# KiCad board mainboard.kicad_pcb
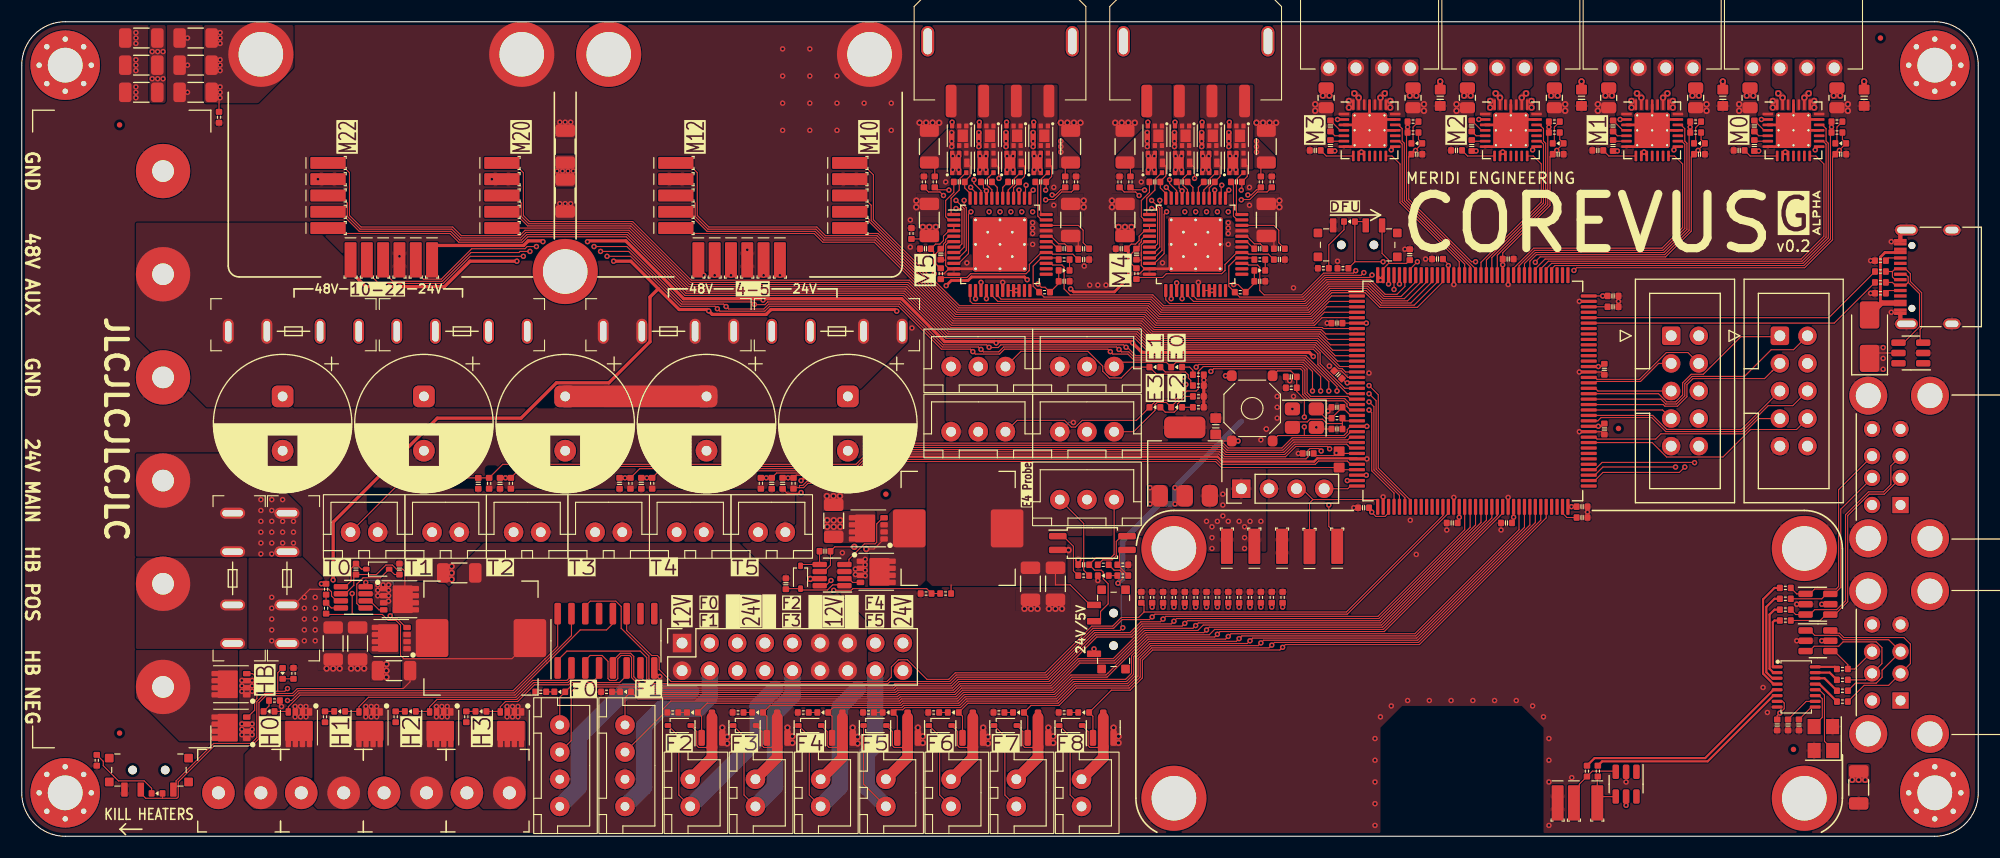
[diagram p0: board, top side]
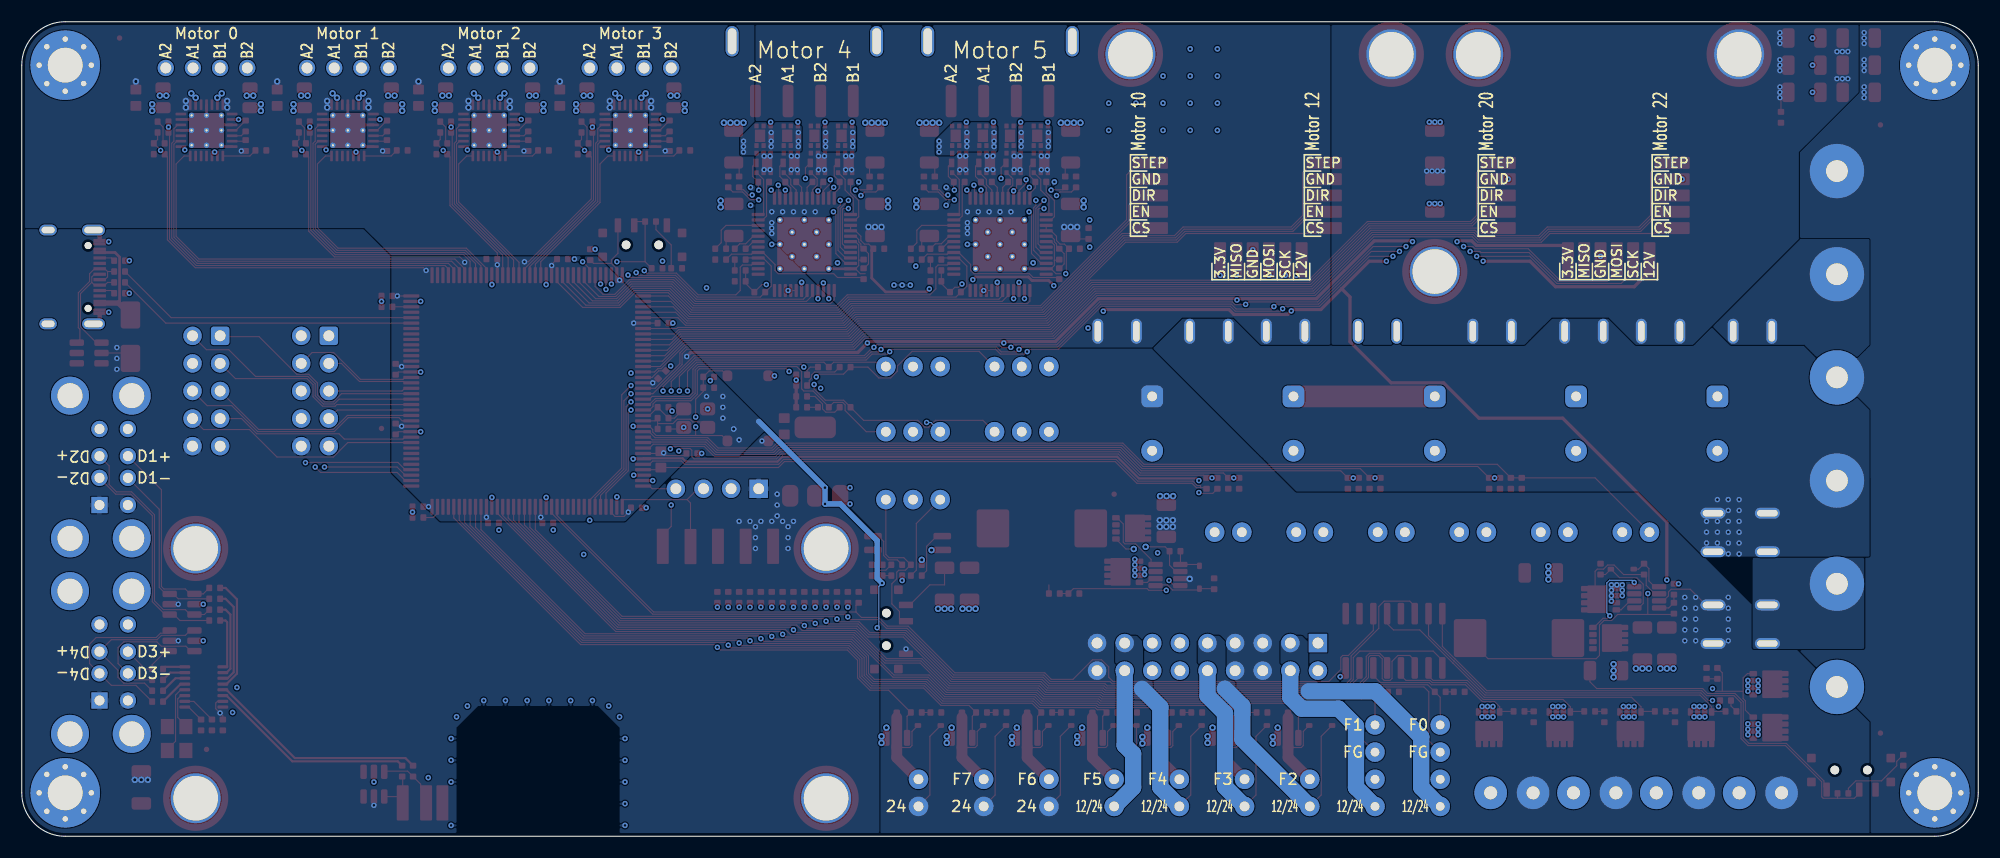
[diagram p1: board, bottom side, seen from below]

Outline 180 x 75 mm; copper layers: Top, In1.Cu (plane), In2.Cu (plane), Bottom. Coordinates in mm from the lower left corner of the outline.
Outline path: 0,71 0,4 arc(1.17,1.17) 4,0 176,0 arc(178.83,1.17) 180,4 180,71 arc(178.83,73.83) 176,75 4,75 arc(1.17,73.83) 0,71
Stack: Top 0.035mm / dielectric 0.1mm FR4 er 4.5 / In1.Cu 0.035mm / dielectric 1.24mm FR4 er 4.5 / In2.Cu 0.035mm / dielectric 0.1mm FR4 er 4.5 / Bottom 0.035mm

## Placement (name value [footprint] x y rotation side)
C1  15pF  [0402C]  121 39.5 0 top
C2  15pF  [0402C]  121 37.5 0 top
C3  2.2μF  [0402C]  146.4 48.75 0 top
C4  2.2μF  [0402C]  143.55 29.35 0 top
C5  100nF 50V  [0402C]  97.7 25 180 top
C6  1μF  [0402C]  42 32.5 90 top
C7  1μF  [0402C]  44 32.5 90 top
C8  1μF  [0402C]  55 32.5 90 top
C9  1μF  [0402C]  57 32.5 90 top
C11  10μF  [0603C]  109.85 37.75 270 top
C12  470μF 63V  [CP_Radial_D12.5mm_P5.00mm]  76 38 0 top
C13  470μF 63V  [CP_Radial_D12.5mm_P5.00mm]  63 38 0 top
C14  470μF 63V  [CP_Radial_D12.5mm_P5.00mm]  50 38 0 top
C15  100nF  [0402C]  121 47.25 180 top
C16  470μF 63V  [CP_Radial_D12.5mm_P5.00mm]  37 38 0 top
C17  470μF 63V  [CP_Radial_D12.5mm_P5.00mm]  24 38 0 top
C18  100nF  [0402C]  167.35 62.8 0 top
C19  1μF  [0402C]  158 63.15 0 top
C20  100nF 16V  [0402C]  159.4 63.6 270 top
C21  22nF 50V  [0402C]  159.4 65.4 270 top
C22  1μF 50V  [0603C]  169.5 68 90 top
C23  100nF  [0402C]  154.35 62.8 0 top
C24  1μF  [0402C]  145 63.15 0 top
C25  100nF 16V  [0402C]  146.4 63.6 270 top
C26  22nF 50V  [0402C]  146.4 65.4 270 top
C27  1μF 50V  [0603C]  156.5 68 90 top
C28  100nF  [0402C]  141.35 62.8 0 top
C29  1μF  [0402C]  132 63.15 0 top
C30  100nF 16V  [0402C]  133.4 63.6 270 top
C31  22nF 50V  [0402C]  133.4 65.4 270 top
C32  1μF 50V  [0603C]  143.5 68 90 top
C33  100nF  [0402C]  128.35 62.8 0 top
C34  1μF  [0402C]  119 63.15 0 top
C35  100nF 16V  [0402C]  120.4 63.6 270 top
C36  22nF 50V  [0402C]  120.4 65.4 270 top
C37  1μF 50V  [0603C]  130.5 68 90 top
C38  100nF  [0402C]  116.8 42.3 180 top
C39  100nF 16V  [0402C]  115.7 54.1 180 top
C40  47nF 100V  [0402C]  113.9 54.1 180 top
C41  470nF  [0402C]  113.9 51.1 180 top
C42  1μF  [0402C]  102.55 53.6 90 top
C43  470nF  [0402C]  115.7 53.1 180 top
C44  100nF  [0402C]  121.1 42.5 135 top
C45  1μF  [0402C]  101.15 54.1 0 top
C46  100nF  [0402C]  118.35 35.25 180 top
C47  220nF  [0402C]  109.25 60.25 0 top
C48  220nF  [0402C]  104.25 60.25 0 top
C49  220nF  [0402C]  111.75 60.25 180 top
C50  220nF  [0402C]  106.75 60.25 0 top
C51  1μF 100V  [C_1206_3216Metric]  101.5 56.75 90 top
C52  1μF 100V  [C_1206_3216Metric]  114.5 56.75 90 top
C53  100nF  [0402C]  123.45 30.25 180 top
C54  100nF 16V  [0402C]  97.7 54.1 180 top
C55  47nF 100V  [0402C]  95.9 54.1 180 top
C56  470nF  [0402C]  95.9 51.1 180 top
C57  1μF  [0402C]  84.55 53.6 90 top
C58  470nF  [0402C]  97.7 53.1 180 top
C59  100nF  [0402C]  131.6 28.85 180 top
C60  1μF  [0402C]  83.15 54.1 0 top
C61  100nF  [0402C]  136.6 28.85 180 top
C62  220nF  [0402C]  91.25 60.25 0 top
C63  220nF  [0402C]  86.25 60.25 0 top
C64  220nF  [0402C]  93.75 60.25 180 top
C65  220nF  [0402C]  88.75 60.25 0 top
C66  1μF 100V  [C_1206_3216Metric]  83.5 56.75 90 top
C67  1μF 100V  [C_1206_3216Metric]  96.5 56.75 90 top
C68  1μF 63V  [C_1206_3216Metric]  11 71 180 top
C69  1μF 63V  [C_1206_3216Metric]  50 63.5 90 top
C70  1μF 63V  [C_1206_3216Metric]  50 59 270 top
C71  1μF 63V  [C_1206_3216Metric]  11 68.5 180 top
C72  1μF 63V  [C_1206_3216Metric]  11 73.5 180 top
C73  1μF 63V  [C_1206_3216Metric]  16 68.5 180 top
C74  1μF 63V  [C_1206_3216Metric]  16 73.5 180 top
C75  1μF 63V  [C_1206_3216Metric]  16 71 180 top
C76  1μF  [0402C]  162.5 10.25 270 top
C77  1μF  [0402C]  69 32.5 90 top
C78  1μF  [0402C]  70 32.5 90 top
C79  100nF  [0402C]  143.55 30.35 0 top
C80  100nF  [0402C]  145.6 37.5 270 top
C81  100nF  [0402C]  145.6 43 270 top
C82  100nF  [0402C]  146.4 49.75 0 top
C83  100nF  [0402C]  136.75 53.15 0 top
C84  100nF  [0402C]  130.25 53.15 180 top
C85  100nF  [0402C]  127.7 53.55 90 top
C86  10μF 50V  [C_1206_3216Metric]  28.65 17.75 270 top
C87  10μF 50V  [C_1206_3216Metric]  30.9 17.75 270 top
C88  2.2μF  [0402C]  34.75 24.6 90 top
C89  100nF  [0402C]  30.75 24.6 270 top
C90  22μF 25V  [C_1206_3216Metric]  34.25 15.25 180 top
C91  22μF 25V  [C_1206_3216Metric]  40.25 24.25 180 top
C92  10μF 50V  [C_1206_3216Metric]  74.7 29.05 90 top
C93  1μF  [0402C]  163.5 10.25 270 top
C94  2.2μF  [0402C]  70.3 23.25 90 top
C95  100nF  [0402C]  73.9 26.25 0 top
C96  22μF 10V  [C_1206_3216Metric]  92.8 23.25 270 top
C97  22μF 10V  [C_1206_3216Metric]  95.1 23.25 270 top
C98  1μF  [0402C]  161.5 10.25 270 top
C99  22μF  [C_1206_3216Metric]  169 4.5 270 top
D1  Red  [0402LED]  122.15 56.6 0 top
D2  Red  [0402LED]  24 15 90 top
D3  SS54  [D_SMA]  170 46 90 top
D5  Red  [0402LED]  49.5 13.3 0 top
D6  Red  [0402LED]  106.25 43.2 0 top
D7  Red  [0402LED]  104.25 43.2 0 top
D8  Red  [0402LED]  106.25 39.5 0 top
D9  Red  [0402LED]  29.25 11.5 0 top
D10  Red  [0402LED]  22.75 11.5 0 top
D11  Red  [0402LED]  35.75 11.5 0 top
D12  Red  [0402LED]  42.25 11.5 0 top
D18  Red  [0402LED]  12.45 3.95 0 top
D19  Red  [0402LED]  113.9 52.1 180 top
D20  Red  [0402LED]  95.9 52.1 180 top
D21  Red  [0402LED]  167.35 63.8 0 top
D22  Red  [0402LED]  154.35 63.8 0 top
D23  Red  [0402LED]  141.35 63.8 0 top
D24  Red  [0402LED]  128.35 63.8 0 top
D25  Red  [0402LED]  104.25 39.5 0 top
D26  Red  [0402LED]  55.55 13.3 0 top
D28  Red  [0402LED]  61.7 11.4 0 top
D29  Red  [0402LED]  67.7 11.4 0 top
D30  1N4148  [D_SOD-323]  60.5 10.2 0 top
D31  1N4148  [D_SOD-323]  66.5 10.2 0 top
D32  Red  [0402LED]  73.7 11.4 0 top
D33  Red  [0402LED]  79.7 11.4 0 top
D34  Red  [0402LED]  85.7 11.4 0 top
D35  Red  [0402LED]  91.7 11.4 0 top
D36  1N4148  [D_SOD-323]  72.5 10.2 0 top
D37  1N4148  [D_SOD-323]  78.5 10.2 0 top
D38  1N4148  [D_SOD-323]  84.5 10.2 0 top
D39  1N4148  [D_SOD-323]  90.5 10.2 0 top
D40  Red  [0402LED]  97.7 11.4 0 top
D41  1N4148  [D_SOD-323]  96.5 10.2 0 top
D46  1N5819  [D_SOD-323]  32.75 24.6 0 top
D48  1N5819  [D_SOD-323]  71.65 23.85 270 top
D49  Red  [0402LED]  99.5 24 0 top
F1  10A  [XF-505P]  25 46.5 0 top
F2  10A  [XF-505P]  40.5 46.5 0 top
F3  10A  [XF-505P]  19.4 23.75 270 top
F4  10A  [XF-505P]  59.5 46.5 0 top
F5  10A  [XF-505P]  75 46.5 0 top
F6  10A  [XF-505P]  24.4 23.75 270 top
FB1  GZ1608  [0603]  121.2 34.7 270 top
FID1  Fiducial  [Fiducial_0.5mm_Mask1mm]  9 65.5 0 top
FID2  Fiducial  [Fiducial_0.5mm_Mask1mm]  171 73.5 0 top
FID3  Fiducial  [Fiducial_0.5mm_Mask1mm]  9 9.5 0 top
FID4  Fiducial  [Fiducial_0.5mm_Mask1mm]  146.9 37.55 0 top
FID5  Fiducial  [Fiducial_0.5mm_Mask1mm]  163 8 0 top
FID6  Fiducial  [Fiducial_0.5mm_Mask1mm]  79.5 31.5 0 top
H1  MountingHole  [MountingHole_3.2mm_M3_Pad_Via]  4 71 0 top
H2  MountingHole  [MountingHole_3.2mm_M3_Pad_Via]  4 4 0 top
H3  MountingHole  [MountingHole_3.2mm_M3_Pad_Via]  176 71 0 top
H4  MountingHole  [MountingHole_3.2mm_M3_Pad_Via]  176 4 0 top
H5  V_{M}  [M3_M2.5_PCB_Nut]  54 72 0 top
H6  Gnd  [M3_M2.5_PCB_Nut]  78 72 0 top
H7  V_{M}  [M3_M2.5_PCB_Nut]  22 72 0 top
H8  Gnd  [M3_M2.5_PCB_Nut]  46 72 0 top
H9  M2.5  [M3_M2.5_PCB_Nut]  106 26.5 0 top
H10  M2.5  [M3_M2.5_PCB_Nut]  106 3.5 0 top
H11  M2.5  [M3_M2.5_PCB_Nut]  164 26.5 0 top
H12  M2.5  [M3_M2.5_PCB_Nut]  164 3.5 0 top
H13  Back  [M3_M2.5_PCB_Nut]  50 52 0 top
J1  USB 2.0  [USB_Type-C_16p]  176.5 51.5 90 top
J2  JST XH  [JST_XH_1x03]  98 31 180 top
J3  Power In  [DBT50G-9.5-6P]  13 37.5 270 top
J4  XH  [JST_XH_1x03]  98 43.25 180 top
J5  XH  [JST_XH_1x03]  88 43.25 180 top
J6  XH  [JST_XH_1x03]  98 37.25 180 top
J7  JST XH  [JST_XH_1x02]  39 28 180 top
J8  JST XH  [JST_XH_1x02]  31.5 28 180 top
J9  JST XH  [JST_XH_1x02]  46.5 28 180 top
J10  JST XH  [JST_XH_1x02]  54 28 180 top
J11  JST XH  [JST_XH_1x02]  61.5 28 180 top
J12  JST XH  [JST_XH_1x02]  69 28 180 top
J13  EXP1  [IDC-Header_2x05_P2.54mm_Vertical]  161.75 46.08 0 top
J14  JST XH  [JST_XH_1x04]  49.5 6.5 90 top
J15  XH  [JST_XH_1x03]  88 37.25 180 top
J16  JST XH  [JST_XH_1x04]  55.5 6.5 90 top
J17  JST XH  [JST_XH_1x02]  61.5 4 90 top
J18  JST XH  [JST_XH_1x02]  67.5 4 90 top
J19  JST XH  [JST_XH_1x02]  73.5 4 90 top
J20  Screw_Terminal_01x02  [DB125-3.81-2P]  27.62 4 0 top
J21  Screw_Terminal_01x02  [DB125-3.81-2P]  20 4 0 top
J22  Screw_Terminal_01x02  [DB125-3.81-2P]  35.24 4 0 top
J23  Screw_Terminal_01x02  [DB125-3.81-2P]  42.86 4 0 top
J24  Conn_01x05_Pin  [PinHeader_1x04_P2.54mm_Vertical]  112.2 32 90 top
J26  USB_A_Stacked  [USB_Type-A_x2]  170.23 34 270 top
J27  USB_A_Stacked  [USB_Type-A_x2]  170.23 16 270 top
J28  EXP2  [IDC-Header_2x05_P2.54mm_Vertical]  151.75 46.08 0 top
J32  JST XH  [JST_XH_1x02]  79.5 4 90 top
J33  JST XH  [JST_XH_1x02]  85.5 4 90 top
J34  JST XH  [JST_XH_1x02]  91.5 4 90 top
J35  JST XH  [JST_XH_1x02]  97.5 4 90 top
J36  Conn_02x09_Odd_Even  [PinSocket_2x09_P2.54mm_Vertical]  60.75 17.79 90 top
L1  10μH  [CJiang_FXL1040]  42.25 18.25 0 top
L2  10μH  [CJiang_FXL1040]  86.15 28.35 0 top
M1  JST XH  [JST_XH_1x04-Side]  163 70.75 0 top
M2  JST XH  [JST_XH_1x04-Side]  150 70.75 0 top
M3  JST XH  [JST_XH_1x04-Side]  137 70.75 0 top
M4  JST XH  [JST_XH_1x04-Side]  124 70.75 0 top
M5  Micro-Fit 3.0  [XKB_X3025WRS-04C]  108 73.2 0 top
M6  Micro-Fit 3.0  [XKB_X3025WRS-04C]  90 73.2 0 top
NT1  NetTie_2  [NetTie-2_SMD_Pad0.1mm]  123.45 34.75 180 top
NT2  NetTie_2  [NetTie-2_SMD_Pad0.1mm]  71.55 32.2 90 top
OC1  PC3H7  [SOP-4_4.4x2.6mm_P1.27mm]  98.5 27 0 top
Q1  60N03F  [MOSFET_DFN8]  19.25 10 90 top
Q2  60N03F  [MOSFET_DFN8]  19.25 14 90 top
Q4  -  [DMT6016LFDF]  111.75 62 0 top
Q5  -  [DMT6016LFDF]  111.75 64.5 180 top
Q6  -  [DMT6016LFDF]  109.25 62 0 top
Q7  -  [DMT6016LFDF]  109.25 64.5 180 top
Q8  -  [DMT6016LFDF]  106.75 62 0 top
Q9  -  [DMT6016LFDF]  106.75 64.5 180 top
Q10  -  [DMT6016LFDF]  104.25 62 0 top
Q11  -  [DMT6016LFDF]  104.25 64.5 180 top
Q12  -  [DMT6016LFDF]  93.75 62 0 top
Q13  -  [DMT6016LFDF]  93.75 64.5 180 top
Q14  -  [DMT6016LFDF]  91.25 62 0 top
Q15  -  [DMT6016LFDF]  91.25 64.5 180 top
Q16  -  [DMT6016LFDF]  88.75 62 0 top
Q17  -  [DMT6016LFDF]  88.75 64.5 180 top
Q18  -  [DMT6016LFDF]  86.25 62 0 top
Q19  -  [DMT6016LFDF]  86.25 64.5 180 top
Q22  AO3400  [SOT-23]  63.5 10 90 top
Q23  60N03F  [MOSFET_DFN8]  32 10 180 top
Q24  60N03F  [MOSFET_DFN8]  25.5 10 180 top
Q25  60N03F  [MOSFET_DFN8]  38.5 10 180 top
Q26  60N03F  [MOSFET_DFN8]  45 10 180 top
Q27  AO3400  [SOT-23]  69.5 10 90 top
Q28  AO3400  [SOT-23]  75.5 10 90 top
Q29  AO3400  [SOT-23]  81.5 10 90 top
Q30  AO3400  [SOT-23]  87.5 10 90 top
Q31  AO3400  [SOT-23]  93.5 10 90 top
Q32  AO3400  [SOT-23]  99.5 10 90 top
Q34  60N03F  [MOSFET_DFN8]  34.75 21.83 270 top
Q35  60N03F  [MOSFET_DFN8]  34 18.25 90 top
Q36  60N03F  [MOSFET_DFN8]  78.61 24.35 270 top
Q37  60N03F  [MOSFET_DFN8]  77.89 28.35 90 top
R1  10kΩ  [0402R]  121.55 52.3 180 top
R2  1kΩ  [0402R]  119.75 52.3 0 top
R3  100kΩ  [0402R]  121 38.5 0 top
R4  33Ω  [0402R]  171 51 0 top
R5  33Ω  [0402R]  171 52 0 top
R6  5.1kΩ  [0402R]  171 50 0 top
R7  5.1kΩ  [0402R]  171 53 0 top
R8  200kΩ  [0402R]  18.15 66.2 270 top
R9  200kΩ  [0402R]  81.85 55.5 90 top
R10  1kΩ  [0402R]  97.7 24 180 top
R11  100kΩ  [0402R]  101.3 25 0 top
R12  1kΩ  [0402R]  99.5 25 0 top
R13  1kΩ  [0402R]  25 15 90 top
R14  10kΩ  [0402R]  107 22 90 top
R15  4.7kΩ  [0402R]  43 32.5 270 top
R16  4.7kΩ  [0402R]  45 32.5 270 top
R17  4.7kΩ  [0402R]  56 32.5 270 top
R18  4.7kΩ  [0402R]  58 32.5 270 top
R19  10kΩ  [0402R]  116.8 41.3 0 top
R20  100mΩ  [R_0805_2012Metric]  167 68 270 top
R21  100mΩ  [R_0805_2012Metric]  159 68 270 top
R22  1kΩ  [0402R]  167 65.8 180 top
R23  100mΩ  [R_0805_2012Metric]  154 68 270 top
R24  100mΩ  [R_0805_2012Metric]  146 68 270 top
R25  200Ω  [0402R]  108.25 40.5 0 top
R26  100mΩ  [R_0805_2012Metric]  141 68 270 top
R27  100mΩ  [R_0805_2012Metric]  133 68 270 top
R28  1kΩ  [0402R]  154 65.8 180 top
R29  100mΩ  [R_0805_2012Metric]  128 68 270 top
R30  100mΩ  [R_0805_2012Metric]  120 68 270 top
R31  4.7kΩ  [0402R]  53.8 13.3 180 top
R32  2.2Ω  [0402R]  102.55 51.8 270 top
R33  47Ω  [0402R]  114 60.25 270 top
R34  47Ω  [0402R]  115 60.25 270 top
R35  33mΩ  [R_1206_3216Metric]  114.5 63.5 90 top
R36  47Ω  [0402R]  102 60.25 270 top
R37  47Ω  [0402R]  101 60.25 270 top
R38  33mΩ  [R_1206_3216Metric]  101.5 63.5 90 top
R39  4.7kΩ  [0402R]  59.9 11.4 180 top
R40  2.2Ω  [0402R]  84.55 51.8 270 top
R41  47Ω  [0402R]  96 60.25 270 top
R42  47Ω  [0402R]  97 60.25 270 top
R43  33mΩ  [R_1206_3216Metric]  96.5 63.5 90 top
R44  47Ω  [0402R]  84 60.25 270 top
R45  47Ω  [0402R]  83 60.25 270 top
R46  33mΩ  [R_1206_3216Metric]  83.5 63.5 90 top
R47  4.7kΩ  [0402R]  65.9 11.4 180 top
R48  4.7kΩ  [0402R]  71.9 11.4 180 top
R49  4.7kΩ  [0402R]  47.75 13.3 180 top
R50  4.7kΩ  [0402R]  77.9 11.4 180 top
R51  4.7kΩ  [0402R]  68 32.5 270 top
R52  200Ω  [0402R]  108.25 42.5 0 top
R53  1kΩ  [0402R]  6.9 7 90 top
R54  4.7kΩ  [0402R]  83.9 11.4 180 top
R55  200Ω  [0402R]  108.25 41.5 0 top
R56  4.7kΩ  [0402R]  71 32.5 270 top
R57  4.7kΩ  [0402R]  89.9 11.4 180 top
R58  4.7kΩ  [0402R]  95.9 11.4 180 top
R59  1kΩ  [0402R]  27.9 11 270 top
R60  10kΩ  [0402R]  106 22 90 top
R61  1kΩ  [0402R]  23.25 12.5 0 top
R62  10kΩ  [0402R]  105 22 90 top
R63  1kΩ  [0402R]  34.4 11 270 top
R64  10kΩ  [0402R]  103 22 90 top
R65  1kΩ  [0402R]  40.9 11 270 top
R66  10kΩ  [0402R]  104 22 90 top
R67  10kΩ  [0402R]  108 22 90 top
R68  10kΩ  [0402R]  109 22 90 top
R69  33Ω  [0402R]  145 6 270 top
R70  33Ω  [0402R]  144 6 270 top
R71  10kΩ  [0402R]  110 22 90 top
R72  10kΩ  [0402R]  111 22 90 top
R73  10kΩ  [0402R]  112 22 90 top
R74  10kΩ  [0402R]  113 22 90 top
R75  33Ω  [0402R]  162.25 22.87 180 top
R76  33Ω  [0402R]  162.25 21.87 180 top
R77  33Ω  [0402R]  162.25 20.87 180 top
R78  33Ω  [0402R]  162.25 19.87 180 top
R79  33Ω  [0402R]  167.5 15.4 180 top
R80  33Ω  [0402R]  167.5 14.4 180 top
R81  33Ω  [0402R]  167.5 13.4 180 top
R82  33Ω  [0402R]  167.5 12.4 180 top
R83  10kΩ  [0402R]  114 22 90 top
R84  10kΩ  [0402R]  115 22 90 top
R85  10kΩ  [0402R]  116 22 90 top
R92  330Ω  [0402R]  28 22.75 90 top
R93  4.7kΩ  [0402R]  28 21 270 top
R94  330Ω  [0402R]  83.2 22.35 180 top
R95  1.8kΩ  [0402R]  85 22.35 0 top
R96  1kΩ  [0402R]  101.3 24 0 top
R97  10kΩ  [0402R]  167 64.8 180 top
R98  1kΩ  [0402R]  113.9 53.1 180 top
R99  1kΩ  [0402R]  95.9 53.1 180 top
R100  10kΩ  [0402R]  154 64.8 180 top
R101  1kΩ  [0402R]  141 65.8 180 top
R102  10kΩ  [0402R]  141 64.8 180 top
R103  1kΩ  [0402R]  128 65.8 180 top
R104  200Ω  [0402R]  108.25 39.5 0 top
R105  10kΩ  [0402R]  128 64.8 180 top
R106  10kΩ  [0402R]  112.1 50.1 180 top
R107  10kΩ  [0402R]  94.1 50.1 180 top
SW1  SW_SPDT  [MSS12C02-LS]  122.9 54.45 0 top
SW2  SW_SPDT  [MSS12C02-LS]  100.45 19.05 90 top
SW3  SPST  [XKB_TS-1187A]  113.2 39.4 90 top
SW9  SW_SPDT  [MSS12C02-LS]  11.7 6.1 180 top
T1  V_{SA}  [LGA_Spring]  62.25 52 180 top
T2  SClk  [LGA_Spring]  63.75 52 180 top
T3  Gnd  [LGA_Spring]  66.75 52 180 top
T4  MOSI  [LGA_Spring]  65.25 52 180 top
T5  MISO  [LGA_Spring]  68.25 52 180 top
T6  V_{CC}IO  [LGA_Spring]  69.75 52 180 top
T7  TestPoint  [LGA_Spring]  61.25 56 270 top
T8  TestPoint  [LGA_Spring]  77.25 56 270 top
T9  TestPoint  [LGA_Spring]  61.25 60.5 270 top
T10  TestPoint  [LGA_Spring]  77.25 60.5 270 top
T11  TestPoint  [LGA_Spring]  61.25 62 270 top
T12  TestPoint  [LGA_Spring]  77.25 62 270 top
T13  TestPoint  [LGA_Spring]  61.25 59 270 top
T14  TestPoint  [LGA_Spring]  77.25 59 270 top
T15  TestPoint  [LGA_Spring]  61.25 57.5 270 top
T16  TestPoint  [LGA_Spring]  77.25 57.5 270 top
T17  V_{SA}  [LGA_Spring]  30.25 52 180 top
T18  SClk  [LGA_Spring]  31.75 52 180 top
T19  Gnd  [LGA_Spring]  34.75 52 180 top
T20  MOSI  [LGA_Spring]  33.25 52 180 top
T21  MISO  [LGA_Spring]  36.25 52 180 top
T22  V_{CC}IO  [LGA_Spring]  37.75 52 180 top
T23  TestPoint  [LGA_Spring]  29.25 56 270 top
T24  TestPoint  [LGA_Spring]  45.25 56 270 top
T25  TestPoint  [LGA_Spring]  29.25 60.5 270 top
T26  TestPoint  [LGA_Spring]  45.25 60.5 270 top
T27  TestPoint  [LGA_Spring]  29.25 62 270 top
T28  TestPoint  [LGA_Spring]  45.25 62 270 top
T29  TestPoint  [LGA_Spring]  29.25 59 270 top
T30  TestPoint  [LGA_Spring]  45.25 59 270 top
T31  TestPoint  [LGA_Spring]  29.25 57.5 270 top
T32  TestPoint  [LGA_Spring]  45.25 57.5 270 top
T33  5V  [LGA_Spring]  110.88 27.78 0 top
T34  5V  [LGA_Spring]  113.4 27.78 0 top
T35  Gnd  [LGA_Spring]  115.95 27.78 0 top
T36  TXD  [LGA_Spring]  118.47 27.75 0 top
T37  RXD  [LGA_Spring]  121.03 27.78 0 top
T44  Shield  [LGA_Spring]  141.3 2 180 top
T45  D+  [LGA_Spring]  144.95 2 180 top
T46  D-  [LGA_Spring]  142.8 2 180 top
U1  STM32F407ZETx  [LQFP-144_20x20mm_P0.5mm]  133.5 41 0 top
U2  SRV05-4  [SOT-23-6]  165.25 21.37 0 top
U3  SRV05-4  [SOT-23-6]  165.25 18 0 top
U4  SRV05-4  [SOT-23-6]  147.6 4.8 270 top
U5  RT8110B  [TSOT-23-8]  74.55 24.05 180 top
U6  AMS1117-3.3  [SOT-223-3_TabPin2]  107 34.5 90 top
U7  TMC2208-LA  [TMC220x]  163 65 0 top
U8  TMC2208-LA  [TMC220x]  150 65 0 top
U9  TMC2208-LA  [TMC220x]  137 65 0 top
U10  TMC2208-LA  [TMC220x]  124 65 0 top
U11  TMC5160A-TA  [TMCx160]  108 54.5 0 top
U12  TMC5160A-TA  [TMCx160]  90 54.5 0 top
U13  -  [SL2.1S]  163.25 13.75 270 top
U14  CD4504B  [SOP-16_3.9x9.9mm_P1.27mm]  53.75 18 90 top
U15  RT8110B  [TSOT-23-8]  30.5 22 180 top
U16  SRV05-4  [SOT-23-6]  173.8 44.5 180 top
Y1  12 MHz  [Crystal_SMD_3225-4Pin_3.2x2.5mm#2]  118 38.5 180 top
Y2  12MHz  [Crystal_SMD_3225-4Pin_3.2x2.5mm]  165.75 9 90 top

## Library data of the parts
C1-C9 C15 C38-C99 = -: Description: Unpolarized capacitor, small symbol
C11 = -: Description: Unpolarized capacitor, small symbol; LCSC: C19702
C12-C14 C16 C17 = -: Description: Polarized capacitor, small US symbol; Field4: C310848
C18 C20 C23 C25 C28 C30 C33 C35 = -: Description: Unpolarized capacitor, small symbol; LCSC: C1525
C19 C24 C29 C34 = -: Description: Unpolarized capacitor, small symbol; LCSC: C19666
C21 C26 C31 C36 = -: Description: Unpolarized capacitor, small symbol; LCSC: C1532
C22 C27 C32 C37 = -: Description: Unpolarized capacitor, small symbol; LCSC: C15849
D1 D2 D5-D12 D18-D26 D28 D29 D32-D35 D40 D49 = -: Description: Light emitting diode, small symbol
D3 = -: Description: Schottky diode, small symbol
D30 D31 D36-D39 D41 D46 D48 = -: Description: Diode, small symbol; Sim.Device: D; Sim.Pins: 1=K 2=A
F1-F6 = -: Description: Fuse
FB1 = -: Description: Ferrite bead, small symbol
FID1-FID6 = -: Description: Fiducial Marker
H1-H4 H13 = -: Description: Mounting Hole without connection
H5-H12 = -: Description: Mounting Hole with connection
J1 = -: Description: USB 2.0-only Type-C Receptacle connector
J2 J4-J6 J15 = -: Description: Generic connector, single row, 01x03, script generated
J3 = -: Description: Generic screw terminal, single row, 01x06, script generated (kicad-library-utils/schlib/autogen/connector/)
J7-J12 J17-J19 J32-J35 = -: Description: Generic connector, single row, 01x02, script generated
J13 J28 = -: Description: Generic connector, double row, 02x05, odd/even pin numbering scheme (row 1 odd numbers, row 2 even numbers), script generated (kicad-library-utils/schlib/autogen/connector/)
J14 J16 J24 = -: Description: Generic connector, single row, 01x04, script generated
J20-J23 = -: Description: Generic screw terminal, single row, 01x02, script generated (kicad-library-utils/schlib/autogen/connector/)
J26 J27 = -: Description: USB Type A connector, stacked
J36 = -: Description: Generic connector, double row, 02x09, odd/even pin numbering scheme (row 1 odd numbers, row 2 even numbers), script generated (kicad-library-utils/schlib/autogen/connector/)
L1 L2 = -: Description: Inductor
M1-M6 = -: Description: 4-wire bipolar stepper motor
NT1 NT2 = -: Description: Net tie, 2 pins
OC1 = -: Description: SO-4 Optocoupler, Transistor output, 2.5kV, 18us, Alternate KiCAD Library
Q1 Q2 Q23-Q26 Q34-Q37 = -: Description: N-MOSFET enchancement mode transistor
Q4-Q19 = -: Description: 60V N-channel Enhancement Mode MOSFET, 8.9A Id; LCSC Part: C460205
Q22 Q27-Q32 = -: Description: N-MOSFET transistor, gate/source/drain
R1-R10 R12-R19 R22 R25 R28 R31-R34 R36 R37 R39-R42 R44 R45 R47-R85 R92-R107 = -: Description: Resistor, small symbol
R11 = -: Description: Resistor, small symbol; LCSC: C25741
R20 R21 R23 R24 R26 R27 R29 R30 = -: Description: Resistor, small symbol; LCSC: C382279
R35 R38 R43 R46 = -: Description: Resistor
SW1 SW2 SW9 = -: Description: Switch, single pole double throw
SW3 = -: Description: Push button switch, generic, two pins
T1-T37 T44-T46 = -: Description: test point
U1 = -: Description: STMicroelectronics Arm Cortex-M4 MCU, 512KB flash, 192KB RAM, 168 MHz, 1.8-3.6V, 114 GPIO, LQFP144
U2-U4 U16 = -: Description: ESD Protection Diodes with Low Clamping Voltage, SOT-23-6
U5 U15 = -: LCSC Part: C27917
U6 = -: Description: 1A Low Dropout regulator, positive, 3.3V fixed output, SOT-223
U7-U10 = -: Description: Driver for two-phase bipolar stepper motor, 2.0A, SPI, 4.75-46V, QFN-36; LCSC: C115944
U11 U12 = -: Description: 20A Driver for two-phase bipolar stepper motor, SPI, UART, TQFP-48
U13 = -: LCSC Part: C2684433
U14 = -: Description: CMOS Hex Voltage-Level Shifter for TTL-to-CMOS or CMOS-to-CMOS, DIP-16/SOIC-16/TSSOP-16
Y1 = -: Description: Four pin crystal, GND on pins 2 and 4
Y2 = -: Description: Four pin crystal, GND on pins 2 and 4, small symbol
